# KiCad board Latest-Full-Backplane.kicad_pcb
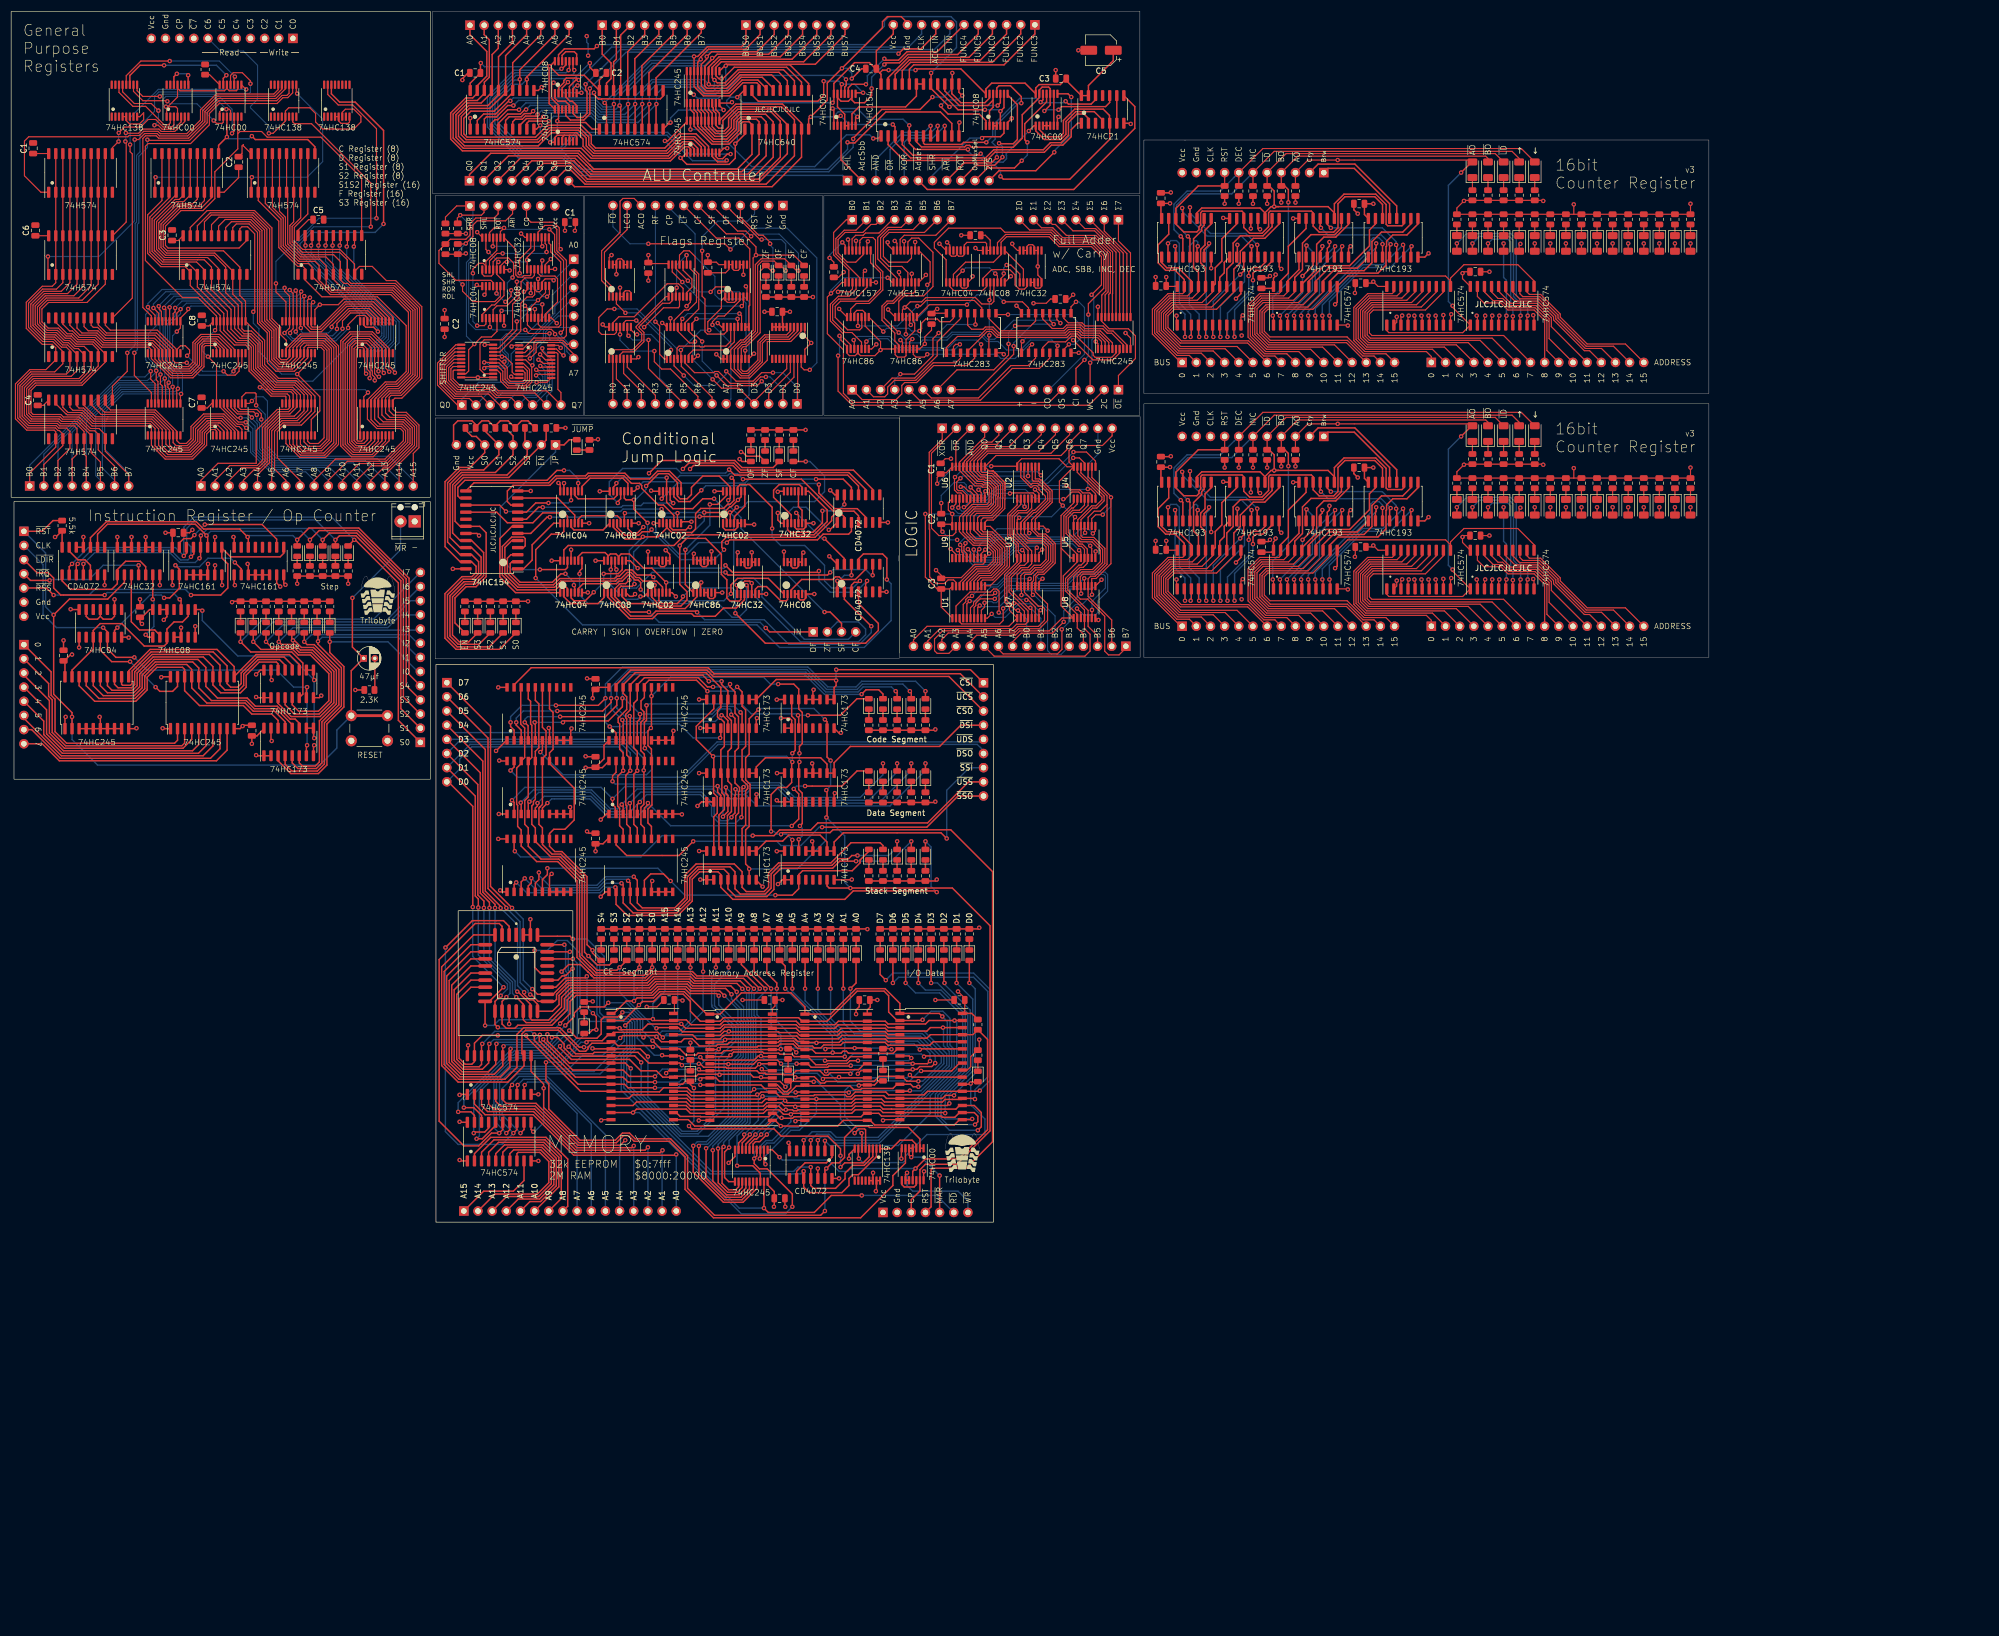
[diagram p0: board, top side]
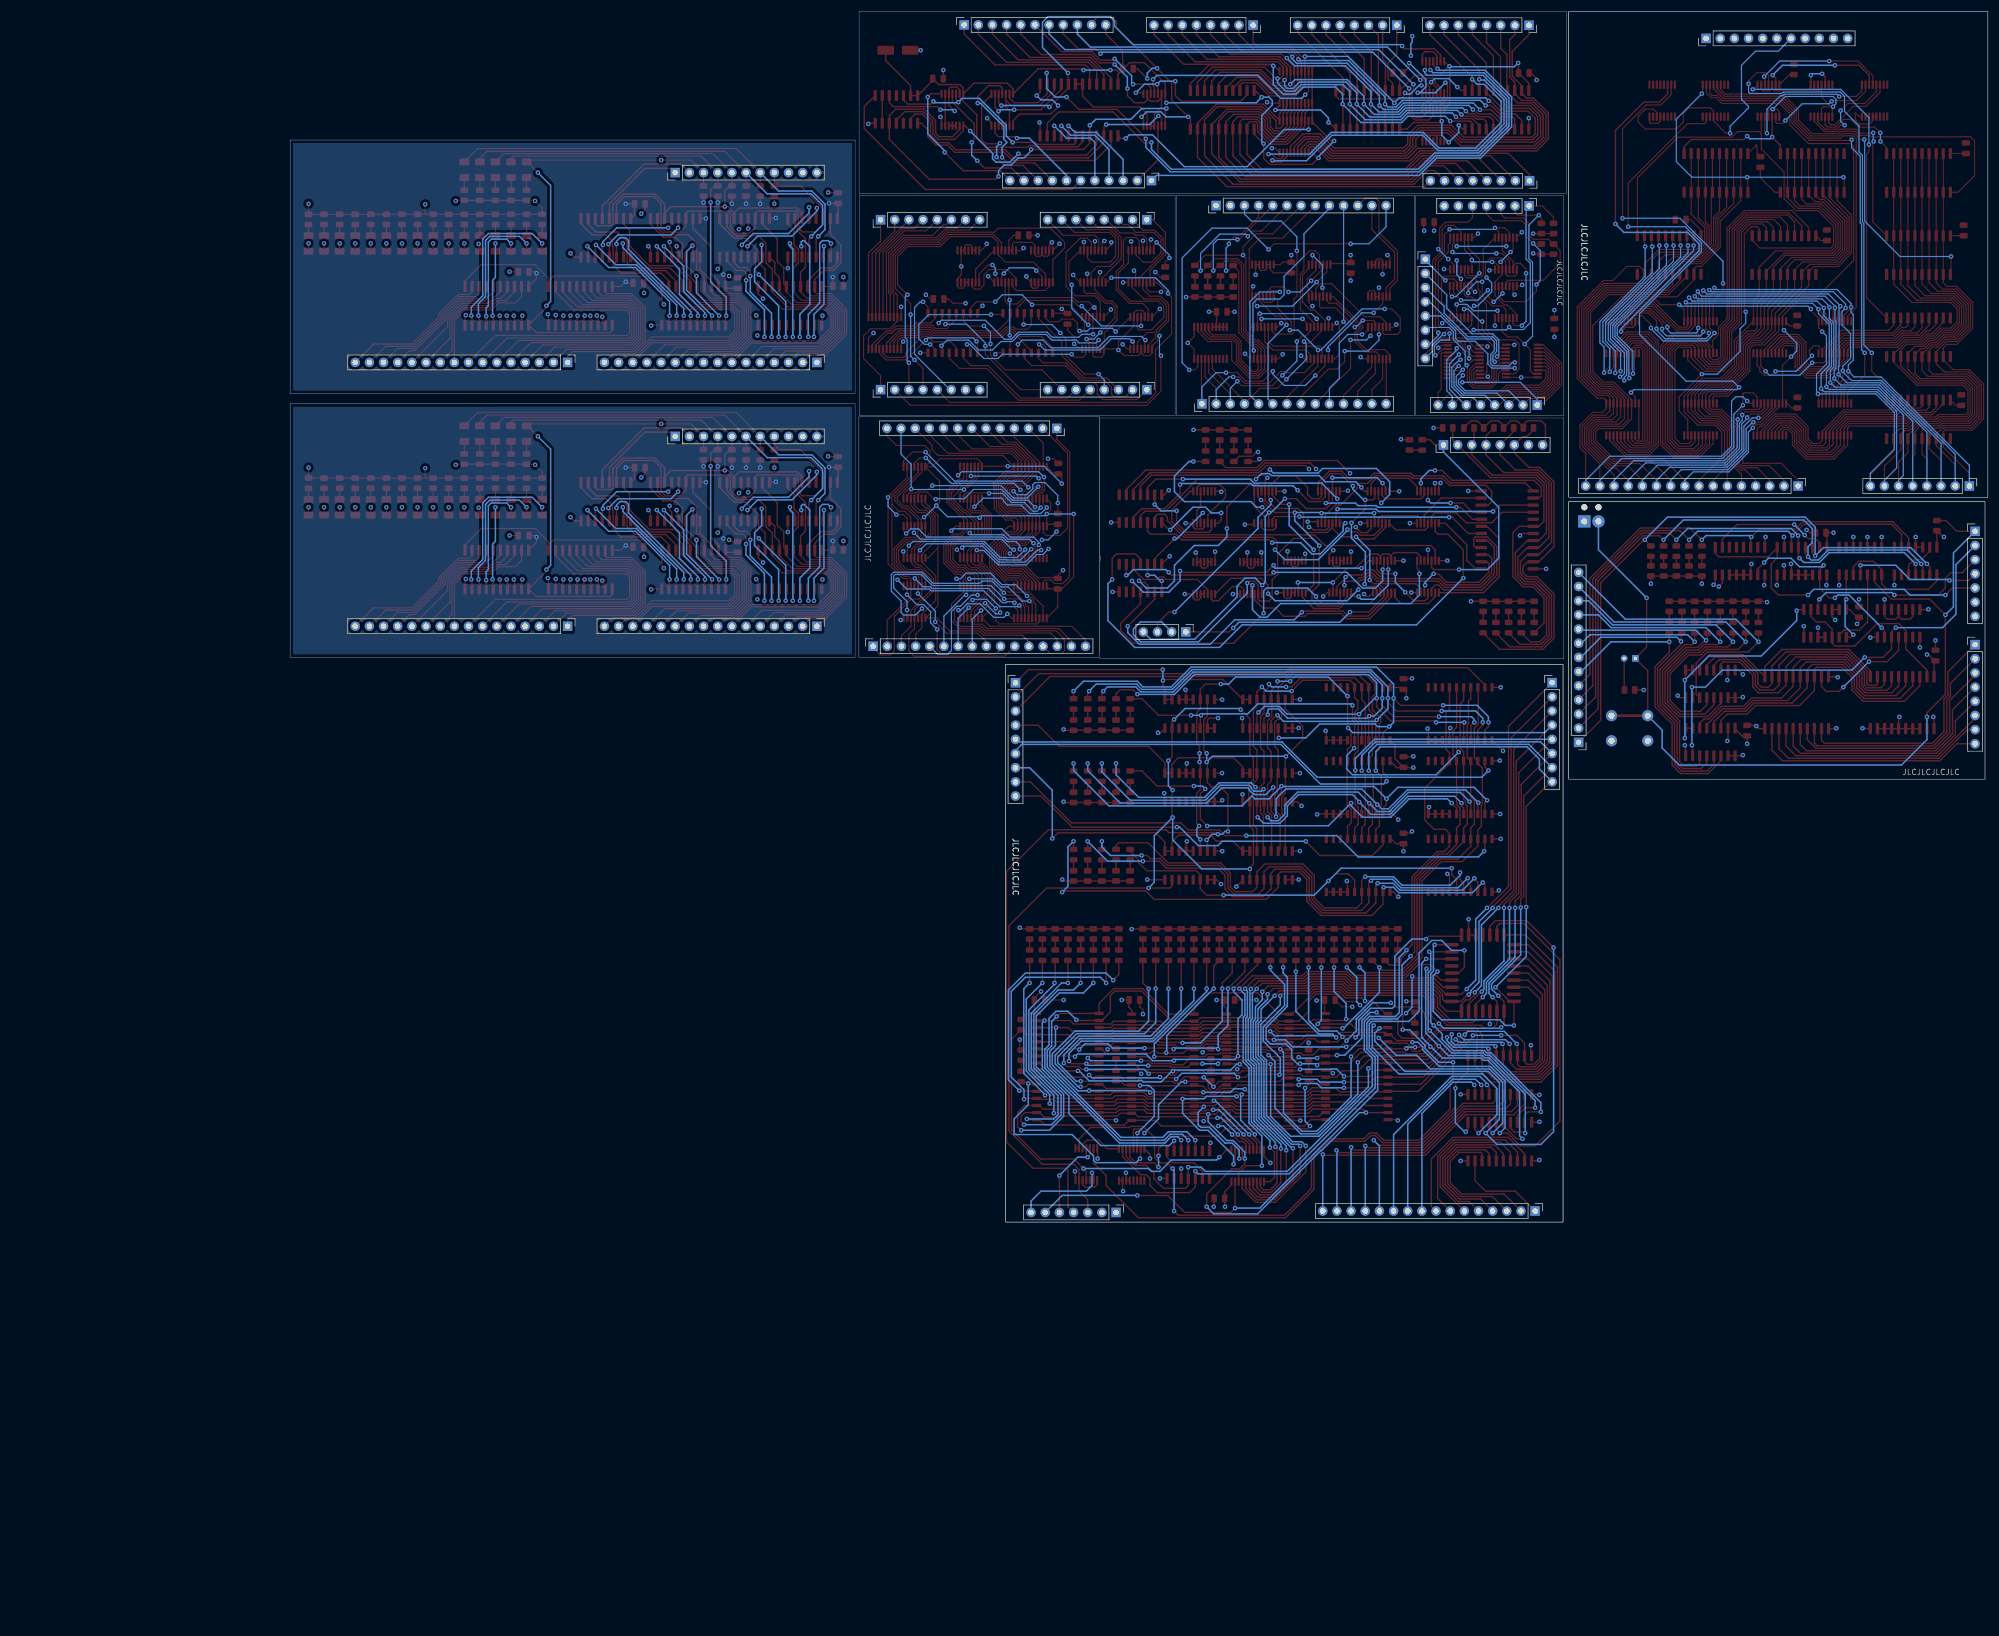
[diagram p1: board, bottom side, seen from below]

Outline 304.55 x 217.15 mm; copper layers: Top, In1.Cu, In2.Cu, Bottom. Coordinates in mm from the lower left corner of the outline.
Outline path: rectangle 0,217.09 75.18,129.97 ; rectangle 0.51,129.21 75.18,79.43 ; rectangle 75.61,217.15 202.48,184.41 ; rectangle 76.06,184.07 102.71,144.67 ; rectangle 76.2,100 176.2,0 ; rectangle 159.36,144.44 202.51,101.22 ; 159.22,119.55 159.22,118.53 ; 159.37,102.03 159.37,144.2 76.06,144.2 76.06,101.02 159.37,101.02 ; 102.87,184.07 102.87,144.7 145.54,144.7 145.54,184.07 102.87,184.07 ; 145.8,184.07 202.44,184.07 202.44,144.7 145.8,144.7 145.8,184.07 ; 203.2,194.04 203.2,148.57 304.55,148.57 304.55,194.04 203.2,194.04 ; 203.2,146.74 203.2,101.27 304.55,101.27 304.55,146.74 203.2,146.74
Stack: Top 0.035mm / dielectric 1.51mm FR4 er 4.5 / Bottom 0.035mm

## Placement (name value [footprint] x y rotation side)
C1  C  [C_0805_2012Metric]  3.94 192.57 90 top
C1#2  C  [C_0805_2012Metric]  262.64 170.42 0 top
C1#3  C  [C_0805_2012Metric]  166.74 135.12 90 top
C1#4  C  [C_0805_2012Metric]  29.97 123.62 0 top
C1#5  C  [C_0805_2012Metric]  172.97 176.96 0 top
C1#6  C  [C_0805_2012Metric]  100.26 179.32 0 top
C1#7  C  [C_0805_2012Metric]  104.83 82.51 90 top
C1#8  C  [C_0805_2012Metric]  83.23 206.07 180 top
C1#9  C  [C_0805_2012Metric]  262.64 123.11 0 top
C1#10  C  [C_0805_2012Metric]  114.3 171.12 270 top
C2  C  [C_0805_2012Metric]  40.81 190.11 270 top
C2#2  C  [C_0805_2012Metric]  23.11 109.4 90 top
C2#3  C  [C_0805_2012Metric]  104.83 96.48 90 top
C2#4  C  [C_0805_2012Metric]  105.84 206.07 180 top
C2#5  C  [C_0805_2012Metric]  77.76 161.07 270 top
C2#6  C  [C_0805_2012Metric]  188.21 165.53 0 top
C2#7  C  [C_0805_2012Metric]  206.25 136.32 90 top
C2#8  C  [C_0805_2012Metric]  166.84 126.09 90 top
C2#9  C  [C_0805_2012Metric]  206.25 183.63 90 top
C2#10  C  [C_0805_2012Metric]  137.41 163.25 0 top
C3  C  [C_0805_2012Metric]  166.84 114.49 90 top
C3#2  C  [C_0805_2012Metric]  147.57 170.36 270 top
C3#3  C  [C_0805_2012Metric]  188.32 205.06 180 top
C3#4  C  [C_0805_2012Metric]  28.87 176.97 90 top
C3#5  C  [C_0805_2012Metric]  241.81 135.31 180 top
C3#6  C  [C_0805_2012Metric]  124.97 171.19 270 top
C3#7  C  [C_0805_2012Metric]  241.81 182.61 180 top
C3#8  C  [C_0805_2012Metric]  43.18 88.14 90 top
C3#9  C  [C_0805_2012Metric]  104.83 68.8 90 top
C4  C  [C_0805_2012Metric]  154.25 206.82 180 top
C4#2  C  [C_0805_2012Metric]  242.06 121.08 180 top
C4#3  C  [C_0805_2012Metric]  242.06 168.39 180 top
C4#4  C  [C_0805_2012Metric]  136.07 39.84 180 top
C4#5  C  [C_0805_2012Metric]  4.77 147.4 90 top
C4#6  C  [C_0805_2012Metric]  9.4 101.6 90 top
C4#7  C  [C_0805_2012Metric]  165.1 161.98 270 top
C5  C_Polarized  [CP_Elec_5x5.9]  195.5 210.14 180 top
C5#2  C  [C_0805_2012Metric]  55.11 179.77 0 top
C5#3  C  [C_0805_2012Metric]  170.1 39.84 180 top
C5#4  C_Polarized_US  [CP_Radial_D4.0mm_P2.00mm]  63.24 101.1 0 top
C6  C  [C_0805_2012Metric]  4.35 177.83 90 top
C6#2  C  [C_0805_2012Metric]  118.03 39.84 180 top
C7  C  [C_0805_2012Metric]  224.28 121.08 90 top
C7#2  C  [C_0805_2012Metric]  224.28 168.39 90 top
C7#3  C  [C_0805_2012Metric]  34.16 146.95 90 top
C7#4  C  [C_0805_2012Metric]  153.09 39.84 180 top
C8  C  [C_0805_2012Metric]  137.85 4.28 0 top
C8#2  C  [C_0805_2012Metric]  34.21 161.66 90 top
C9  C  [C_0805_2012Metric]  206.25 167.88 180 top
C9#2  C  [C_0805_2012Metric]  206.25 120.57 180 top
D1  LED  [LED_0805_2012Metric]  41.15 106.6 270 top
D1#2  LED  [LED_0805_2012Metric]  101.46 139.37 90 top
D1#3  LED  [LED_1206_3216Metric]  259.33 175.5 270 top
D1#4  LED  [LED_1206_3216Metric]  259.33 128.19 270 top
D1#5  LED  [LED_0805_2012Metric]  142.24 170.61 90 top
D1#6  LED  [LED_0805_2012Metric]  105.84 47.86 270 top
D2  LED  [LED_1206_3216Metric]  262.13 128.19 270 top
D2#2  LED  [LED_0805_2012Metric]  139.95 170.61 90 top
D2#3  LED  [LED_0805_2012Metric]  108.13 47.86 270 top
D2#4  LED  [LED_1206_3216Metric]  262.13 175.5 270 top
D2#5  LED  [LED_0805_2012Metric]  140.32 137.34 270 top
D2#6  LED  [LED_0805_2012Metric]  43.43 106.6 270 top
D3  LED  [LED_0805_2012Metric]  137.67 170.61 90 top
D3#2  LED  [LED_0805_2012Metric]  137.78 137.34 270 top
D3#3  LED  [LED_1206_3216Metric]  264.92 128.19 270 top
D3#4  LED  [LED_1206_3216Metric]  264.92 175.5 270 top
D3#5  LED  [LED_0805_2012Metric]  45.72 106.6 270 top
D3#6  LED  [LED_0805_2012Metric]  110.41 47.86 270 top
D4  LED  [LED_0805_2012Metric]  135.24 137.34 270 top
D4#2  LED  [LED_0805_2012Metric]  135.38 170.61 90 top
D4#3  LED  [LED_0805_2012Metric]  48.01 106.6 270 top
D4#4  LED  [LED_0805_2012Metric]  112.7 47.86 270 top
D4#5  LED  [LED_1206_3216Metric]  267.72 128.19 270 top
D4#6  LED  [LED_1206_3216Metric]  267.72 175.5 270 top
D5  LED  [LED_0805_2012Metric]  132.7 137.34 270 top
D5#2  LED  [LED_1206_3216Metric]  270.51 175.5 270 top
D5#3  LED  [LED_0805_2012Metric]  114.99 47.86 270 top
D5#4  LED  [LED_0805_2012Metric]  50.29 106.6 270 top
D5#5  LED  [LED_1206_3216Metric]  270.51 128.19 270 top
D6  LED  [LED_0805_2012Metric]  90.54 106.6 270 top
D6#2  LED  [LED_1206_3216Metric]  273.3 128.19 270 top
D6#3  LED  [LED_0805_2012Metric]  52.58 106.6 270 top
D6#4  LED  [LED_0805_2012Metric]  155.88 47.86 270 top
D6#5  LED  [LED_1206_3216Metric]  273.3 175.5 270 top
D7  LED  [LED_1206_3216Metric]  276.1 175.5 270 top
D7#2  LED  [LED_1206_3216Metric]  276.1 128.19 270 top
D7#3  LED  [LED_0805_2012Metric]  88.25 106.6 270 top
D7#4  LED  [LED_0805_2012Metric]  54.86 106.6 270 top
D7#5  LED  [LED_0805_2012Metric]  158.17 47.86 270 top
D8  LED  [LED_0805_2012Metric]  85.96 106.6 270 top
D8#2  LED  [LED_0805_2012Metric]  160.45 47.86 270 top
D8#3  LED  [LED_1206_3216Metric]  278.89 128.19 270 top
D8#4  LED  [LED_1206_3216Metric]  278.89 175.5 270 top
D8#5  LED  [LED_0805_2012Metric]  57.15 106.6 270 top
D9  LED  [LED_0805_2012Metric]  53.59 120.32 90 top
D9#2  LED  [LED_0805_2012Metric]  83.68 106.6 270 top
D9#3  LED  [LED_1206_3216Metric]  281.69 175.5 270 top
D9#4  LED  [LED_1206_3216Metric]  281.69 128.19 270 top
D9#5  LED  [LED_0805_2012Metric]  162.74 47.86 270 top
D10  LED  [LED_0805_2012Metric]  81.39 106.6 270 top
D10#2  LED  [LED_0805_2012Metric]  55.88 120.32 90 top
D10#3  LED  [LED_0805_2012Metric]  165.02 47.86 270 top
D10#4  LED  [LED_1206_3216Metric]  284.48 128.19 270 top
D10#5  LED  [LED_1206_3216Metric]  284.48 175.5 270 top
D11  LED  [LED_1206_3216Metric]  287.27 175.5 270 top
D11#2  LED  [LED_0805_2012Metric]  167.31 47.86 270 top
D11#3  LED  [LED_1206_3216Metric]  287.27 128.19 270 top
D11#4  LED  [LED_0805_2012Metric]  58.17 120.32 90 top
D12  LED  [LED_1206_3216Metric]  290.07 128.19 270 top
D12#2  LED  [LED_0805_2012Metric]  60.45 120.32 90 top
D12#3  LED  [LED_1206_3216Metric]  290.07 175.5 270 top
D12#4  LED  [LED_0805_2012Metric]  169.6 47.86 270 top
D13  LED  [LED_0805_2012Metric]  51.31 120.32 90 top
D13#2  LED  [LED_0805_2012Metric]  171.88 47.86 270 top
D13#3  LED  [LED_1206_3216Metric]  292.86 128.19 270 top
D13#4  LED  [LED_1206_3216Metric]  292.86 175.5 270 top
D14  LED  [LED_1206_3216Metric]  295.66 175.5 270 top
D14#2  LED  [LED_1206_3216Metric]  295.66 128.19 270 top
D14#3  LED  [LED_0805_2012Metric]  173.41 26.12 270 top
D15  LED  [LED_1206_3216Metric]  298.45 128.19 270 top
D15#2  LED  [LED_1206_3216Metric]  298.45 175.5 270 top
D15#3  LED  [LED_0805_2012Metric]  156.39 26.27 270 top
D16  LED  [LED_1206_3216Metric]  301.24 128.19 270 top
D16#2  LED  [LED_1206_3216Metric]  301.24 175.5 270 top
D16#3  LED  [LED_0805_2012Metric]  139.37 26.3 270 top
D17  LED  [LED_0805_2012Metric]  121.84 26.2 270 top
D18  LED  [LED_1206_3216Metric]  264.92 141.4 90 top
D18#2  LED  [LED_1206_3216Metric]  264.92 188.71 90 top
D18#3  LED  [LED_0805_2012Metric]  117.28 47.86 270 top
D19  LED  [LED_0805_2012Metric]  119.56 47.86 270 top
D19#2  LED  [LED_1206_3216Metric]  273.3 141.4 90 top
D19#3  LED  [LED_1206_3216Metric]  273.3 188.71 90 top
D20  LED  [LED_0805_2012Metric]  121.84 47.86 270 top
D20#2  LED  [LED_1206_3216Metric]  262.13 141.4 90 top
D20#3  LED  [LED_1206_3216Metric]  262.13 188.71 90 top
D21  LED  [LED_1206_3216Metric]  270.51 141.4 90 top
D21#2  LED  [LED_1206_3216Metric]  270.51 188.71 90 top
D21#3  LED  [LED_0805_2012Metric]  124.13 47.86 270 top
D22  LED  [LED_1206_3216Metric]  267.72 188.71 90 top
D22#2  LED  [LED_0805_2012Metric]  126.42 47.86 270 top
D22#3  LED  [LED_1206_3216Metric]  267.72 141.4 90 top
D23  LED  [LED_0805_2012Metric]  128.7 47.86 270 top
D24  LED  [LED_0805_2012Metric]  130.99 47.86 270 top
D25  LED  [LED_0805_2012Metric]  133.27 47.86 270 top
D26  LED  [LED_0805_2012Metric]  135.56 47.86 270 top
D27  LED  [LED_0805_2012Metric]  137.85 47.86 270 top
D28  LED  [LED_0805_2012Metric]  140.13 47.86 270 top
D29  LED  [LED_0805_2012Metric]  142.42 47.86 270 top
D30  LED  [LED_0805_2012Metric]  144.7 47.86 270 top
D31  LED  [LED_0805_2012Metric]  146.99 47.86 270 top
D32  LED  [LED_0805_2012Metric]  149.28 47.86 270 top
D33  LED  [LED_0805_2012Metric]  151.56 47.86 270 top
D34  LED  [LED_0805_2012Metric]  102.79 34.76 270 top
D35  LED  [LED_0805_2012Metric]  153.85 79.97 90 top
D36  LED  [LED_0805_2012Metric]  156.39 79.97 90 top
D37  LED  [LED_0805_2012Metric]  158.93 79.97 90 top
D38  LED  [LED_0805_2012Metric]  161.47 79.97 90 top
D39  LED  [LED_0805_2012Metric]  164.01 79.97 90 top
D40  LED  [LED_0805_2012Metric]  153.85 92.93 90 top
D41  LED  [LED_0805_2012Metric]  156.39 92.93 90 top
D42  LED  [LED_0805_2012Metric]  158.93 92.93 90 top
D43  LED  [LED_0805_2012Metric]  161.47 92.93 90 top
D44  LED  [LED_0805_2012Metric]  164.01 92.93 90 top
D45  LED  [LED_0805_2012Metric]  153.85 65.9 90 top
D46  LED  [LED_0805_2012Metric]  156.39 65.9 90 top
D47  LED  [LED_0805_2012Metric]  158.93 65.9 90 top
D48  LED  [LED_0805_2012Metric]  161.47 65.9 90 top
D49  LED  [LED_0805_2012Metric]  164.01 65.9 90 top
J1  Conn_01x07  [PinHeader_1x07_P2.54mm_Vertical]  156.39 1.74 270 bottom
J1#2  Conn_01x08  [PinHeader_1x08_P2.54mm_Vertical]  2.29 103.56 180 bottom
J1#3  Conn_01x08  [PinHeader_1x08_P2.54mm_Vertical]  150.88 149.28 270 bottom
J1#4  Conn_01x08  [PinHeader_1x08_P2.54mm_Vertical]  3.32 132 270 bottom
J1#5  Conn_01x08  [PinHeader_1x08_P2.54mm_Vertical]  100.91 172.65 180 bottom
J1#6  Conn_01x13  [PinHeader_1x13_P2.54mm_Vertical]  138.43 182.3 90 bottom
J1#7  Conn_01x16  [PinSocket_1x16_P2.54mm_Vertical]  199.96 103.27 90 bottom
J1#8  Conn_01x08  [PinSocket_1x08_P2.54mm_Vertical]  82.31 214.62 270 bottom
J2  Conn_01x08  [PinSocket_1x08_P2.54mm_Vertical]  106.03 214.62 270 bottom
J2#2  Conn_01x16  [PinHeader_1x16_P2.54mm_Vertical]  210.06 106.86 270 bottom
J2#3  Conn_01x08  [PinHeader_1x08_P2.54mm_Vertical]  150.88 179.76 270 bottom
J2#4  Conn_01x14  [PinHeader_1x14_P2.54mm_Vertical]  140.97 146.74 90 bottom
J2#5  Conn_01x16  [PinHeader_1x16_P2.54mm_Vertical]  34.04 132 270 bottom
J2#6  Conn_01x13  [PinHeader_1x13_P2.54mm_Vertical]  73.41 86.03 0 bottom
J2#7  Conn_01x16  [PinHeader_1x16_P2.54mm_Vertical]  210.06 154.16 270 bottom
J2#8  Conn_01x08  [PinHeader_1x08_P2.54mm_Vertical]  78.16 96.74 180 bottom
J2#9  Conn_01x08  [PinHeader_1x08_P2.54mm_Vertical]  80.84 146.52 270 bottom
J3  Conn_01x11  [PinHeader_1x11_P2.54mm_Vertical]  150.03 186.77 270 bottom
J3#2  Conn_01x16  [PinHeader_1x16_P2.54mm_Vertical]  81.2 1.99 270 bottom
J3#3  Conn_01x11  [PinHeader_1x11_P2.54mm_Vertical]  50.55 212.27 90 bottom
J3#4  Conn_01x07  [PinHeader_1x07_P2.54mm_Vertical]  82.28 182.22 270 bottom
J3#5  Conn_01x08  [PinHeader_1x08_P2.54mm_Vertical]  97.65 139.37 90 bottom
J3#6  Conn_01x08  [PinHeader_1x08_P2.54mm_Vertical]  198.63 179.76 90 bottom
J3#7  Conn_01x07  [PinHeader_1x07_P2.54mm_Vertical]  2.29 123.88 180 bottom
J3#8  Conn_01x16  [PinHeader_1x16_P2.54mm_Vertical]  254.76 154.16 270 bottom
J3#9  Conn_01x16  [PinHeader_1x16_P2.54mm_Vertical]  254.76 106.86 270 bottom
J4  Screw_Terminal_01x02  [TerminalBlock_Phoenix_MPT-0,5-2-2.54_1x02_P2.54mm_Horizontal]  72.39 125.65 180 top
J4#2  Conn_01x08  [PinSocket_1x08_P2.54mm_Vertical]  131.8 214.64 270 bottom
J4#3  Conn_01x11  [PinHeader_1x11_P2.54mm_Vertical]  235.46 188.2 90 bottom
J4#4  Conn_01x08  [PinHeader_1x08_P2.54mm_Vertical]  198.63 149.28 90 bottom
J4#5  Conn_01x04  [PinHeader_1x04_P2.54mm_Vertical]  143.88 105.84 270 bottom
J4#6  Conn_01x11  [PinHeader_1x11_P2.54mm_Vertical]  235.46 140.89 90 bottom
J4#7  Conn_01x09  [PinHeader_1x09_P2.54mm_Vertical]  174.42 96.73 180 bottom
J5  Conn_01x12  [PinSocket_1x11_P2.54mm_Vertical]  183.64 214.7 90 bottom
J6  Conn_01x08  [PinSocket_1x08_P2.54mm_Vertical]  82.22 186.75 270 bottom
JC  Conn_01x13  [PinSocket_1x13_P2.54mm_Vertical]  167.01 142.34 270 bottom
R1  R_US  [R_0805_2012Metric]  34.8 206.68 270 top
R1#2  R_US  [R_0805_2012Metric]  105.84 51.67 270 top
R1#3  R_US  [R_0805_2012Metric]  142.24 166.8 270 top
R1#4  R_Small  [R_0805_2012Metric]  227.84 184.9 90 top
R1#5  R_Small_US  [R_0805_2012Metric]  9.14 124.89 270 top
R1#6  R_Small  [R_0805_2012Metric]  227.84 137.59 90 top
R1#7  R_US  [R_0805_2012Metric]  103.74 139.37 90 top
R2  R_Small  [R_0805_2012Metric]  259.33 179.82 90 top
R2#2  R_Small_US  [R_0805_2012Metric]  41.15 110.41 90 top
R2#3  R_Small  [R_0805_2012Metric]  259.33 132.51 90 top
R2#4  R_US  [R_0805_2012Metric]  139.95 166.8 270 top
R2#5  R_US  [R_0805_2012Metric]  140.32 141.15 90 top
R2#6  R_US  [R_0805_2012Metric]  108.13 51.67 270 top
R3  R_Small_US  [R_0805_2012Metric]  43.43 110.41 90 top
R3#2  R_US  [R_0805_2012Metric]  137.67 166.8 270 top
R3#3  R_Small  [R_0805_2012Metric]  262.13 179.82 90 top
R3#4  R_US  [R_0805_2012Metric]  137.78 141.15 90 top
R3#5  R_US  [R_0805_2012Metric]  110.41 51.67 270 top
R3#6  R_Small  [R_0805_2012Metric]  262.13 132.51 90 top
R4  R_Small  [R_0805_2012Metric]  264.92 132.51 90 top
R4#2  R_Small  [R_0805_2012Metric]  264.92 179.82 90 top
R4#3  R_Small_US  [R_0805_2012Metric]  45.72 110.41 90 top
R4#4  R_US  [R_0805_2012Metric]  112.7 51.67 270 top
R4#5  R_US  [R_0805_2012Metric]  135.24 141.15 90 top
R4#6  R_US  [R_0805_2012Metric]  135.38 166.8 270 top
R5  R_Small  [R_0805_2012Metric]  267.72 179.82 90 top
R5#2  R_US  [R_0805_2012Metric]  114.99 51.67 270 top
R5#3  R_US  [R_0805_2012Metric]  132.7 141.15 90 top
R5#4  R_Small_US  [R_0805_2012Metric]  48.01 110.41 90 top
R5#5  R_Small  [R_0805_2012Metric]  267.72 132.51 90 top
R6  R_US  [R_0805_2012Metric]  90.54 110.41 90 top
R6#2  R_Small_US  [R_0805_2012Metric]  50.29 110.41 90 top
R6#3  R_Small_US  [R_0805_2012Metric]  155.88 51.67 270 top
R6#4  R_Small  [R_0805_2012Metric]  270.51 179.82 90 top
R6#5  R_Small  [R_0805_2012Metric]  270.51 132.51 90 top
R7  R_Small  [R_0805_2012Metric]  273.3 132.51 90 top
R7#2  R_US  [R_0805_2012Metric]  88.25 110.41 90 top
R7#3  R_Small_US  [R_0805_2012Metric]  158.17 51.67 270 top
R7#4  R_Small  [R_0805_2012Metric]  273.3 179.82 90 top
R7#5  R_Small_US  [R_0805_2012Metric]  52.58 110.41 90 top
R8  R_Small  [R_0805_2012Metric]  276.1 179.82 90 top
R8#2  R_Small_US  [R_0805_2012Metric]  160.45 51.67 270 top
R8#3  R_Small  [R_0805_2012Metric]  276.1 132.51 90 top
R8#4  R_US  [R_0805_2012Metric]  85.96 110.41 90 top
R8#5  R_Small_US  [R_0805_2012Metric]  54.86 110.41 90 top
R9  R_Small  [R_0805_2012Metric]  278.89 179.82 90 top
R9#2  R_Small_US  [R_0805_2012Metric]  162.74 51.67 270 top
R9#3  R_Small  [R_0805_2012Metric]  278.89 132.51 90 top
R9#4  R_US  [R_0805_2012Metric]  83.68 110.41 90 top
R9#5  R_Small_US  [R_0805_2012Metric]  57.15 110.41 90 top
R10  R_Small_US  [R_0805_2012Metric]  165.02 51.67 270 top
R10#2  R_Small  [R_0805_2012Metric]  281.69 179.82 90 top
R10#3  R_Small_US  [R_0805_2012Metric]  77.91 174.47 270 top
R10#4  R_US  [R_0805_2012Metric]  81.39 110.41 90 top
R10#5  R_Small  [R_0805_2012Metric]  281.69 132.51 90 top
R10#6  R_Small_US  [R_0805_2012Metric]  53.59 116.76 270 top
R11  R_US  [R_0805_2012Metric]  82.41 142.42 0 top
R11#2  R_Small_US  [R_0805_2012Metric]  80.11 178.19 270 top
R11#3  R_Small_US  [R_0805_2012Metric]  167.31 51.67 270 top
R11#4  R_Small  [R_0805_2012Metric]  284.48 132.51 90 top
R11#5  R_Small_US  [R_0805_2012Metric]  55.88 116.76 270 top
R11#6  R_Small  [R_0805_2012Metric]  284.48 179.82 90 top
R12  R_US  [R_0805_2012Metric]  85.96 142.42 0 top
R12#2  R_Small_US  [R_0805_2012Metric]  58.17 116.76 270 top
R12#3  R_Small_US  [R_0805_2012Metric]  169.6 51.67 270 top
R12#4  R_Small  [R_0805_2012Metric]  287.27 179.82 90 top
R12#5  R_Small_US  [R_0805_2012Metric]  77.91 178.17 270 top
R12#6  R_Small  [R_0805_2012Metric]  287.27 132.51 90 top
R13  R_Small  [R_0805_2012Metric]  290.07 179.82 90 top
R13#2  R_Small  [R_0805_2012Metric]  290.07 132.51 90 top
R13#3  R_US  [R_0805_2012Metric]  89.52 142.42 0 top
R13#4  R_Small_US  [R_0805_2012Metric]  60.45 116.76 270 top
R13#5  R_Small_US  [R_0805_2012Metric]  171.88 51.67 270 top
R13#6  R_Small_US  [R_0805_2012Metric]  80.11 174.49 270 top
R14  R_Small  [R_0805_2012Metric]  292.86 132.51 90 top
R14#2  R_Small  [R_0805_2012Metric]  292.86 179.82 90 top
R14#3  R_Small_US  [R_0805_2012Metric]  173.41 29.93 270 top
R14#4  R_US  [R_0805_2012Metric]  93.08 142.42 0 top
R14#5  R_Small_US  [R_0805_2012Metric]  51.31 116.76 270 top
R15  R_Small  [R_0805_2012Metric]  295.66 132.51 90 top
R15#2  R_Small_US  [R_0805_2012Metric]  64.26 95.43 180 top
R15#3  R_US  [R_0805_2012Metric]  96.89 142.42 0 top
R15#4  R_Small  [R_0805_2012Metric]  295.66 179.82 90 top
R15#5  R_Small_US  [R_0805_2012Metric]  156.39 30.19 270 top
R16  R_Small  [R_0805_2012Metric]  298.45 132.51 90 top
R16#2  R_Small  [R_0805_2012Metric]  298.45 179.82 90 top
R16#3  R_Small_US  [R_0805_2012Metric]  139.37 30.19 270 top
R17  R_Small  [R_0805_2012Metric]  267.72 184.13 270 top
R17#2  R_Small  [R_0805_2012Metric]  267.72 136.83 270 top
R17#3  R_Small_US  [R_0805_2012Metric]  121.84 30.01 270 top
R18  R_Small  [R_0805_2012Metric]  217.68 184.9 90 top
R18#2  R_US  [R_0805_2012Metric]  117.28 51.67 270 top
R18#3  R_Small  [R_0805_2012Metric]  217.68 137.59 90 top
R19  R_Small  [R_0805_2012Metric]  301.24 132.51 90 top
R19#2  R_Small  [R_0805_2012Metric]  301.24 179.82 90 top
R19#3  R_US  [R_0805_2012Metric]  119.56 51.67 270 top
R20  R_Small  [R_0805_2012Metric]  264.92 136.83 270 top
R20#2  R_US  [R_0805_2012Metric]  121.84 51.67 270 top
R20#3  R_Small  [R_0805_2012Metric]  264.92 184.13 270 top
R21  R_Small  [R_0805_2012Metric]  273.3 184.13 270 top
R21#2  R_US  [R_0805_2012Metric]  124.13 51.67 270 top
R21#3  R_Small  [R_0805_2012Metric]  273.3 136.83 270 top
R22  R_Small  [R_0805_2012Metric]  262.13 184.13 270 top
R22#2  R_Small  [R_0805_2012Metric]  262.13 136.83 270 top
R22#3  R_US  [R_0805_2012Metric]  126.42 51.67 270 top
R23  R_Small  [R_0805_2012Metric]  270.51 136.83 270 top
R23#2  R_US  [R_0805_2012Metric]  128.7 51.67 270 top
R23#3  R_Small  [R_0805_2012Metric]  270.51 184.13 270 top
R24  R_Small  [R_0805_2012Metric]  225.3 184.9 90 top
R24#2  R_US  [R_0805_2012Metric]  130.99 51.67 270 top
R24#3  R_Small  [R_0805_2012Metric]  225.3 137.59 90 top
R25  R_US  [R_0805_2012Metric]  133.27 51.67 270 top